# Altium PCB LAY-94611_B.PcbDoc (part 7 of 16) (continued)
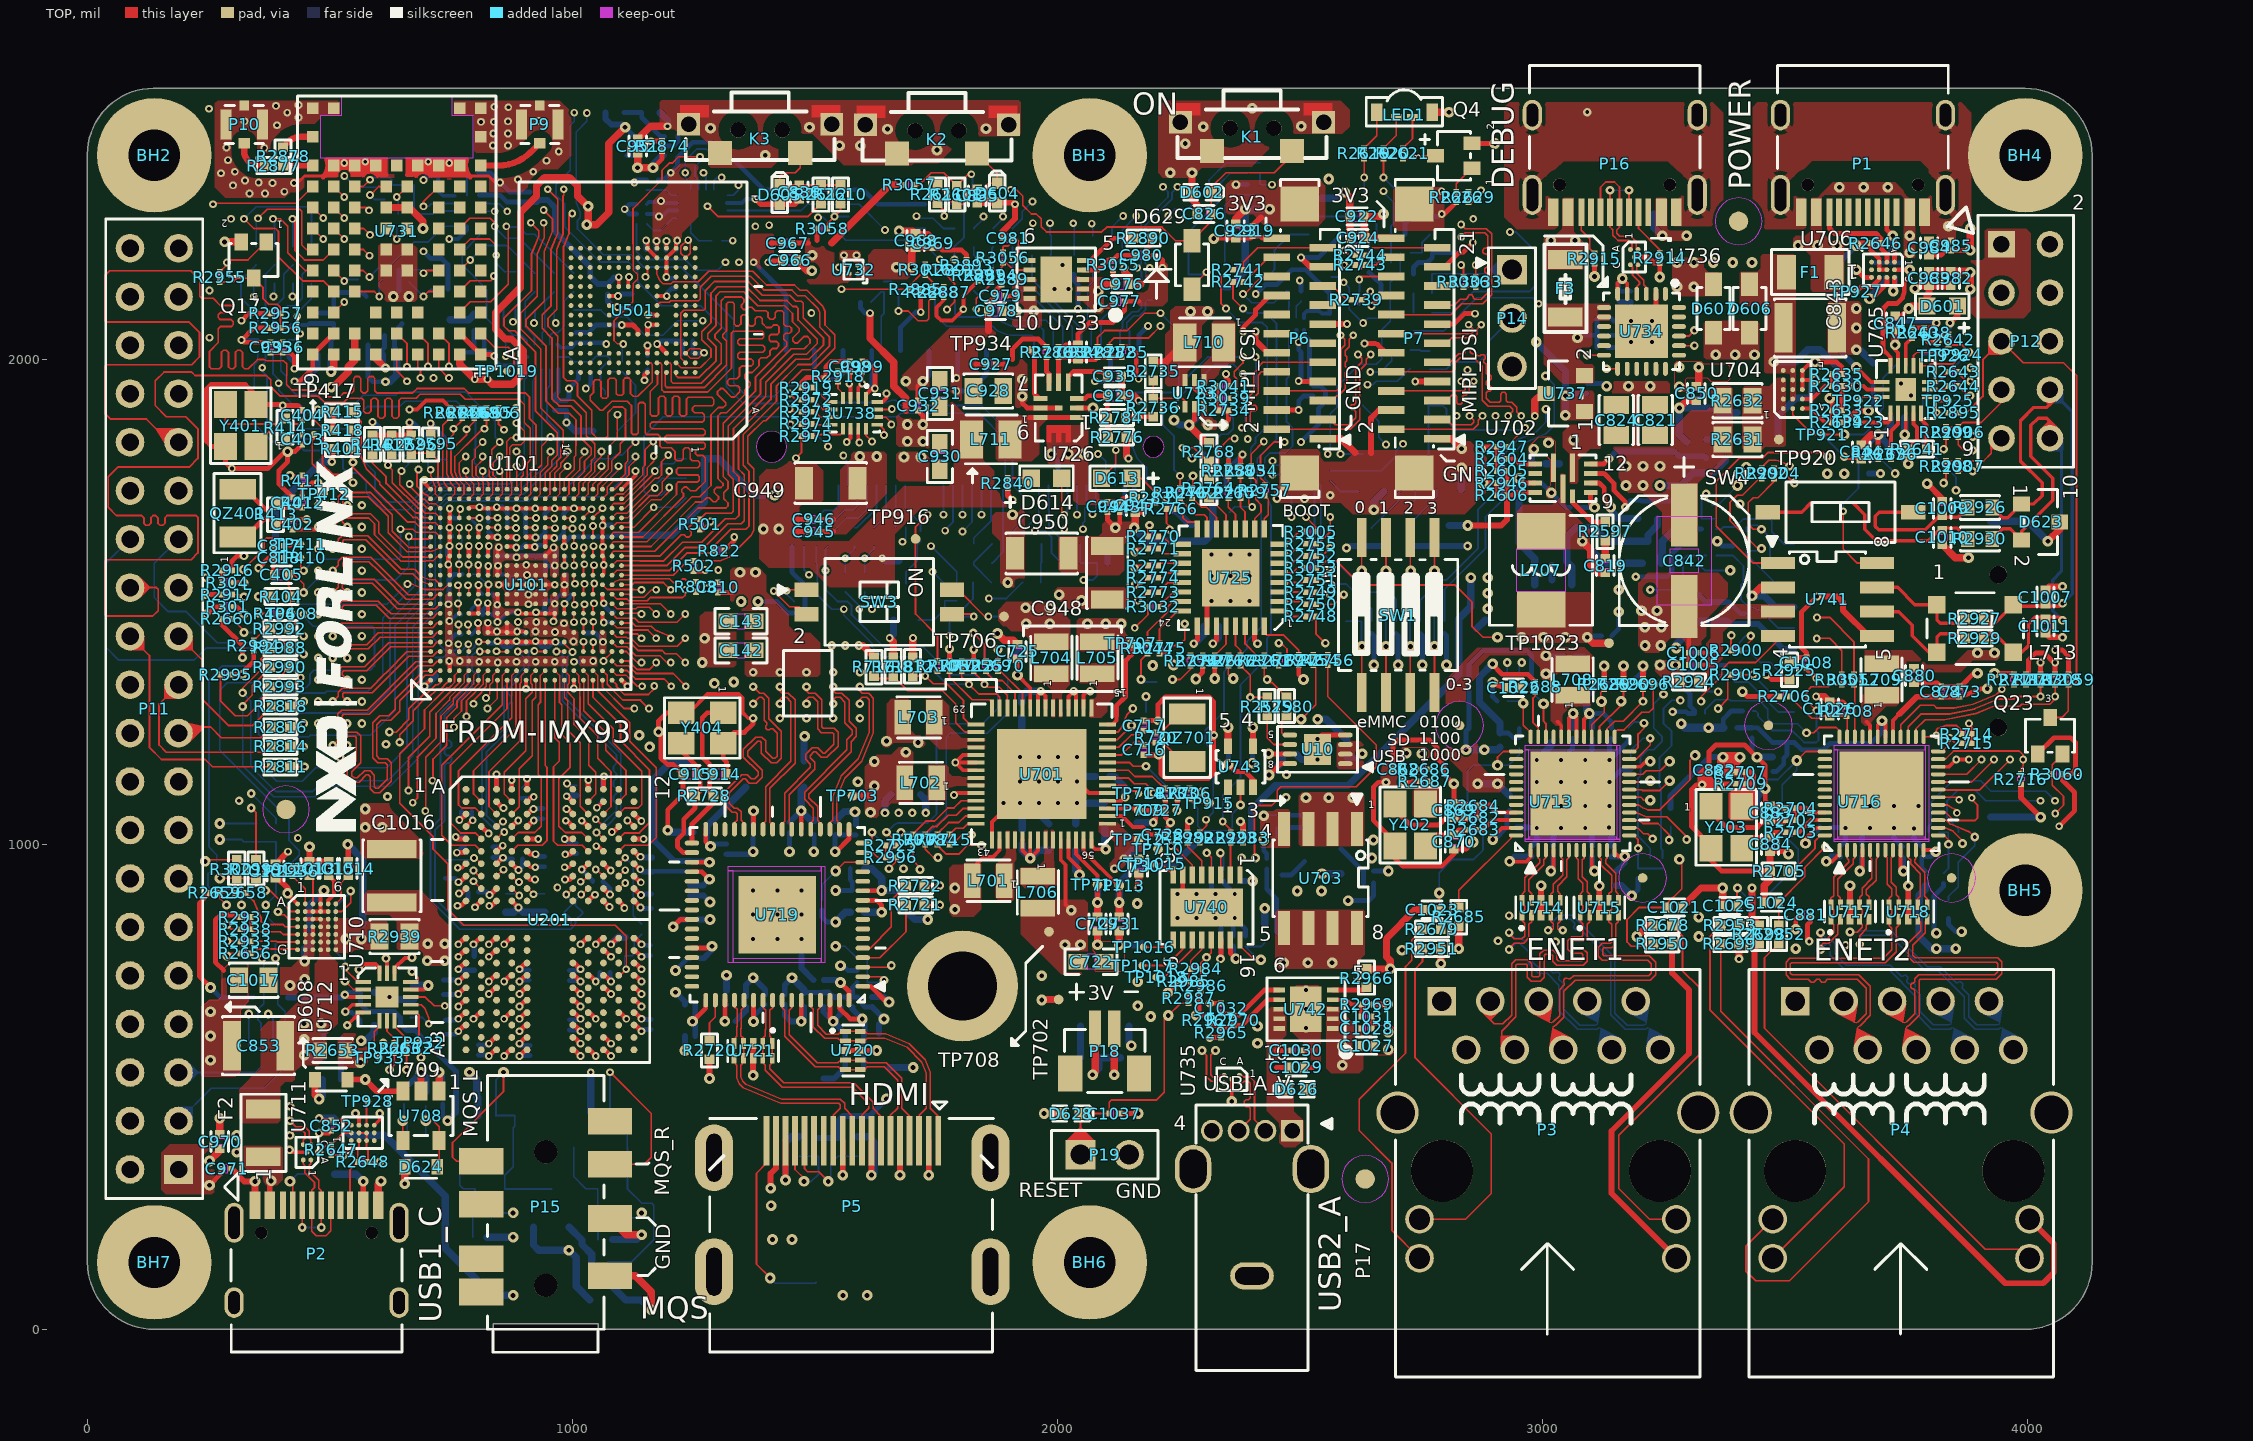
[diagram p0: TOP view]
## Nets (pads, with @x,y where several pads share a name; then routed paths per layer and width w, separated by ;. In a path a pad name is that pad's centre, name@x,y a point inside that pad or via, vN(x,y) a via of type N, cw(c..) or ccw(c..) an arc to the next point about the centre after c; other vN are vias at no path point) (continued)
  BOTTOM w3.62: v9(2557.8,1805) 2562.8,1810 2562.8,1887.8 2577.8,1902.8 2577.8,1945 2622.8,1990 2658,1990 2669,2001 2669,2061.2 2686.47,2078.67 2686.47,2159.18 2707.29,2180 2707.29,2220
EXP_GPIO_IO05: P11.29 U101.L18 | length 2425.8
  TOP w3.62: U101.L18@904.6,1673.29 924.83,1673.29 v9(925.17,1672.95)
  ART08 w3.09: P11.29@187.8,1729.53 234.8,1682.53 234.8,1605 292.8,1547 292.8,1245 333.8,1204 348.71,1204 351.8,1207.09 351.8,1222.71 348.18,1226.33 332.62,1226.33 329,1229.95 329,1235.07 332.62,1238.69 348.18,1238.69 351.8,1242.31 351.8,1251.19 348.18,1254.81 313.42,1254.81 309.8,1258.43 309.8,1263.55 313.42,1267.17 348.18,1267.17 351.8,1270.79 351.8,1275.91 348.18,1279.53 339.42,1279.53 335.8,1283.15 335.8,1288.27 339.42,1291.89 348.18,1291.89 351.8,1295.51 351.8,1300.63 348.18,1304.25 339.42,1304.25 335.8,1307.87 335.8,1312.99 339.8,1316.99 339.8,1334.46 343.42,1338.08 377.18,1338.08 380.8,1341.7 380.8,1346.82 377.18,1350.44 343.42,1350.44 339.8,1354.06 339.8,1359.18 343.42,1362.8 377.18,1362.8 380.8,1366.42 380.8,1371.54 377.18,1375.16 343.42,1375.16 339.8,1378.78 339.8,1383.9 343.42,1387.52 377.18,1387.52 380.8,1391.14 380.8,1396.26 377.18,1399.88 343.42,1399.88 339.8,1403.5 339.8,1408.62 343.42,1412.24 377.18,1412.24 380.8,1415.86 380.8,1420.98 377.18,1424.6 343.42,1424.6 339.8,1428.22 339.8,1448.91 342.89,1452 387.8,1452 403.8,1436 403.8,1370 410.2,1363.6 449.8,1363.6 456.8,1356.6 577.67,1356.6 592.98,1371.91 609.71,1371.91 666.8,1429 709.8,1429 715.8,1423 715.8,1409 733.8,1391 777.8,1391 783.8,1385 783.8,1367 796.8,1354 860.79,1354 870.8,1364.01 870.8,1581 868.8,1583 868.8,1705.6 872.2,1709 897.4,1709 904.8,1701.6 904.8,1693.32 v9(925.17,1672.95)
EXP_GPIO_IO06: P11.31 U101.L20 | length 2564.9
  TOP w3.2: U101.L20@904.6,1712.66 914.35,1722.41 914.35,1774.34 924.8,1784.79 924.8,1840
  TOP w3.62: P11.31@187.8,1829.53 169.28,1829.53 121.81,1877 47.8,1877 35.8,1889 35.8,1985.38 39.42,1989 214.8,1989 230.8,2005 230.8,2056 209.8,2077 39.42,2077 35.8,2080.62 35.8,2173 45.8,2183 212.8,2183 231.8,2164 231.8,2130 235.8,2126 259.22,2126 274.04,2111.18 296.56,2111.18 300.8,2106.94 300.8,2100.94 296.56,2096.7 274.04,2096.7 269.8,2092.46 269.8,2086.46 274.04,2082.22 296.56,2082.22 300.8,2077.98 300.8,2071.98 296.56,2067.74 274.04,2067.74 269.8,2063.5 269.8,2035 251.8,2017 251.8,1984.62 255.42,1981 271.96,1981 276.2,1985.24 276.2,2014.76 280.44,2019 286.44,2019 290.68,2014.76 290.68,1985.24 294.92,1981 300.92,1981 305.16,1985.24 305.16,2014.76 309.4,2019 315.4,2019 319.64,2014.76 319.64,1985.24 323.88,1981 331.8,1981 350.8,2000 362.76,2000 368.8,1997.5 404.3,1997.5 410.8,1991 410.8,1948 421.8,1937 479.8,1937 493.8,1923 520.8,1923 528.8,1931 544.86,1931 549.1,1935.24 549.1,1960.76 553.34,1965 559.34,1965 563.58,1960.76 563.58,1935.24 567.82,1931 573.82,1931 578.06,1935.24 578.06,1960.76 582.3,1965 588.3,1965 592.54,1960.76 592.54,1935.24 596.78,1931 670.8,1931 679.8,1940 776.8,1940 785.8,1931 902.8,1931 911.8,1922 911.8,1878 924.8,1865 924.8,1840
EXP_GPIO_IO07: P11.26 U101.L21 | length 2535.1
  TOP w3.2: U101.L21@904.6,1732.34 906.8,1734.54 906.8,1785.99 912.8,1791.99 912.8,1858
  TOP w3.62: P11.26@87.8,1529.53 142.18,1529.53 145.8,1525.91 145.8,1482 134.8,1471 39.42,1471 35.8,1474.62 35.8,1583.38 39.42,1587 213.8,1587 227.8,1601 227.8,1674.38 224.18,1678 164.05,1678 159.81,1673.76 159.81,1662.24 155.57,1658 149.57,1658 145.33,1662.24 145.33,1673.76 141.09,1678 135.09,1678 130.85,1673.76 130.85,1662.24 126.61,1658 120.61,1658 116.37,1662.24 116.37,1673.76 112.13,1678 59.8,1678 42.8,1695 42.8,1758 62.8,1778 209.8,1778 227.8,1796 227.8,1857 202.8,1882 162.8,1882 139.8,1905 139.8,1956 157.8,1974 214.8,1974 221.8,1967 368.8,1967 377.8,1958 377.8,1944 397.3,1924.5 476.3,1924.5 488.8,1912 528.8,1912 536.8,1920 565.78,1920 570.02,1915.76 570.02,1893.24 574.26,1889 580.26,1889 584.5,1893.24 584.5,1915.76 588.74,1920 594.74,1920 598.98,1915.76 598.98,1883.24 603.22,1879 609.22,1879 613.46,1883.24 613.46,1915.76 617.7,1920 623.7,1920 627.94,1915.76 627.94,1883.24 632.18,1879 638.18,1879 642.42,1883.24 642.42,1915.76 646.66,1920 677.8,1920 685.8,1928 768.8,1928 778.8,1918 889.8,1918 900.8,1907 900.8,1870 912.8,1858
EXP_GPIO_IO08: P11.24 R2811.2 | length 514.7
  TOP w3.62: P11.24@87.8,1429.53 127.8,1389.53 127.8,1200 152.8,1175 242.8,1175 257.8,1160 R2811.2@379.8,1160
EXP_GPIO_IO09: P11.21 R2814.2 | length 384.3
  TOP w3.62: P11.21@187.8,1329.53 147.8,1289.53 147.8,1205 162.8,1190 367.8,1190 R2814.2@379.8,1202
EXP_GPIO_IO10: P11.19 R2816.2 | length 215.4
  TOP w3.62: P11.19@187.8,1229.53 200.27,1242 253.99,1242 275.99,1220 357.8,1220 R2816.2@379.8,1242
EXP_GPIO_IO11: P11.23 R2818.2 | length 332.6
  TOP w3.62: P11.23@187.8,1429.53 237,1380.33 237,1299 291,1245 339.8,1245 R2818.2@379.8,1285
EXP_GPIO_IO12: P11.32 R2629.1 U101.N20 | length 4737
  TOP w3.2: U101.N20@943.97,1712.66 953.9,1722.59 953.9,1766.1 967.8,1780 967.8,1790 975.9,1798.1 975.9,1817.09 980.8,1821.99 980.8,1854
  TOP w3.62: v28(940.81,2282) 940.81,2277 941.8,2276.01 941.8,2251.34 927.8,2217.52 927.8,2130 893.6,2095.8 893.6,2062.7 934.8,2021.5 934.8,1900 980.8,1854 ; 2847.8,2324.49 2869.8,2324.49 2873.8,2328.49 v3(2873.8,2349)
  ART03 w3.09: v28(940.81,2282) 978.06,2319.25 1022.53,2337.6 1052.2,2337.6 1096.8,2293 1127.51,2293 1145.51,2311 1210.8,2311 1232.4,2332.6 1345.4,2332.6 1365.8,2353 1590,2353 1652,2415 1914.4,2415 2020,2520.6 2139.4,2520.6 2244.4,2415.6 2600.49,2415.6 2618.09,2398 2645.8,2398 2652.8,2391 2652.8,2342.4 2664.8,2330.4 2808.49,2330.4 2816.49,2338.4 2863.2,2338.4 v3(2873.8,2349)
  ART08 w3.09: P11.32@87.8,1829.53 52.89,1829.53 47.9,1824.54 47.9,1606.9 69.8,1585 119.8,1585 145.8,1611 145.8,1750.99 167.81,1773 232.8,1773 242.8,1783 242.8,1943.01 253.79,1954 324.8,1954 330.8,1960 330.8,1997 365.8,2032 365.8,2045.46 369.42,2049.08 382.18,2049.08 385.8,2052.7 385.8,2057.82 382.18,2061.44 369.42,2061.44 365.8,2065.06 365.8,2070.18 369.42,2073.8 386.18,2073.8 389.8,2077.42 389.8,2082.54 386.18,2086.16 369.42,2086.16 365.8,2089.78 365.8,2094.9 369.42,2098.52 386.18,2098.52 389.8,2102.14 389.8,2107.26 386.18,2110.88 369.42,2110.88 365.8,2114.5 365.8,2153.91 368.89,2157 455.8,2157 493.8,2195 512.8,2195 563.8,2246 563.8,2260 576.3,2272.5 657.3,2272.5 673.8,2289 709.8,2289 733.8,2265 753.8,2265 769.3,2249.5 881.8,2249.5 889.3,2257 916.57,2257 940.81,2281.24 v28(940.81,2282)
EXP_GPIO_IO13: P11.33 R2623.1 U101.N21 | length 4657.8
  TOP w3.2: U101.N21@943.97,1732.34 943.97,1766.16 957.8,1779.99 957.8,1792 968.8,1803 968.8,1849
  TOP w3.62: v28(914.3,2282) 930.8,2265.5 930.8,2253.64 915.8,2217.5 915.8,2142 858.8,2085 858.8,2069 868.8,2059 880.8,2059 923.8,2016 923.8,1894 968.8,1849
  ART03 w3.09: v28(914.3,2282) 914.3,2304.5 934.4,2324.6 963.74,2324.6 1020.46,2348 1083.09,2348 1104.49,2326.6 1141.82,2326.6 1158.22,2343 1299.8,2343 1337.8,2381 1598,2381 1647,2430 1725,2430 1743,2448 1757,2448 1775,2430 1914,2430 2015,2531 2143.71,2531 2248.71,2426 2604.8,2426 2616.8,2414 2673.8,2414 2688.8,2399 2688.8,2363 v3(2672.8,2347)
  ART08 w3.09: P11.33@187.8,1929.53 227.71,1929.53 230.8,1926.44 230.8,1904.55 227.18,1900.93 221.42,1900.93 217.8,1897.31 217.8,1892.19 221.42,1888.57 227.18,1888.57 230.8,1884.95 230.8,1879.83 227.18,1876.21 221.42,1876.21 217.8,1872.59 217.8,1867.47 221.42,1863.85 227.18,1863.85 230.8,1860.23 230.8,1804 215.8,1789 131.89,1789 128.8,1792.09 128.8,1800.06 132.42,1803.68 148.18,1803.68 151.8,1807.3 151.8,1812.42 148.18,1816.04 132.42,1816.04 128.8,1819.66 128.8,1824.78 132.42,1828.4 142.18,1828.4 145.8,1832.02 145.8,1837.14 142.18,1840.76 132.42,1840.76 128.8,1844.38 128.8,1849.5 132.42,1853.12 148.18,1853.12 151.8,1856.74 151.8,1861.86 148.18,1865.48 132.42,1865.48 128.8,1869.1 128.8,1873 123.8,1878 50.99,1878 47.9,1881.09 47.9,1960.1 56.8,1969 312.8,1969 319.8,1976 319.8,2005 352.8,2038 352.8,2106 345.8,2113 334.8,2113 321.8,2126 321.8,2136 333.8,2148 343.8,2148 364.8,2169 451.8,2169 489.8,2207 510.8,2207 547.8,2244 547.8,2258 571.8,2282 650.8,2282 668.8,2300 717.8,2300 741.8,2276 757.8,2276 774.8,2259 874.8,2259 888.8,2273 905.3,2273 v28(914.3,2282)
  BOTTOM w3.62: v3(2672.8,2347) 2672.8,2345 2693.31,2324.49 2693.31,2280.52 2688.31,2275.52 2688.31,2200
EXP_GPIO_IO14: P11.8 U101.P20 | length 2530.4
  TOP w3.2: U101.P20@963.65,1712.66 973.59,1722.6 973.59,1763.58 v3(990.01,1780)
  ART03 w3.09: P11.8@87.8,629.53 87.8,662.01 141.8,716.01 141.8,746 165.8,770 250.8,770 269.8,789 269.8,884 297.8,912 297.8,955 242.8,1010 242.8,1151 271.8,1180 271.8,1569.4 249.2,1592 249.2,1886.4 259.6,1896.8 259.6,1941.8 301.1,1983.3 335.09,1983.3 354.69,2002.9 586.2,2002.9 594.3,2011 763.1,2011 793.1,1981 912.8,1981 963.8,1930 963.8,1918 1004.8,1877 1004.8,1846 971.8,1813 971.8,1798.21 v3(990.01,1780)
EXP_GPIO_IO15: P11.10 U101.P21 | length 2519.6
  TOP w3.2: U101.P21@963.66,1732.35 963.66,1765.86 975.8,1778 975.8,1785.99 990.01,1800.2 v3(990.01,1810)
  ART03 w3.09: P11.10@87.8,729.53 43.05,774.28 43.05,786.26 46.79,790 232.8,790 253.8,811 253.8,941 268.8,956 268.8,966 228.8,1006 228.8,1155 261.3,1187.5 261.3,1559.5 238.8,1582 238.8,1891.01 249.2,1901.41 249.2,1947.41 295.49,1993.7 326.5,1993.7 345.8,2013 583,2013 596,2026 773.8,2026 808.7,1991.1 918.7,1991.1 974.8,1935 974.8,1927 1015.8,1886 1015.8,1835.79 v3(990.01,1810)
EXP_GPIO_IO16: P11.36 U101.R21 | length 2436
  TOP w3.2: U101.R21@983.34,1732.34 983.34,1752.54 1003.8,1773 1003.8,1799 1007.4,1802.6 1007.4,1822.39
  TOP w3.62: v9(940.8,2308) 958.8,2290 958.8,2263.34 941.8,2222.27 941.8,2120 904.6,2082.8 904.6,2068.2 945.8,2027 945.8,1914.01 970.81,1889 993.79,1889 1007.4,1875.39 1007.4,1822.39
  ART08 w3.09: P11.36@87.8,2029.53 58.32,2029.53 50.73,2021.94 50.73,1988.09 57.82,1981 114.26,1981 117.88,1984.62 117.88,2000.38 121.5,2004 126.62,2004 130.24,2000.38 130.24,1984.62 133.86,1981 138.98,1981 142.6,1984.62 142.6,2000.38 146.22,2004 151.34,2004 154.96,2000.38 154.96,1984.62 158.58,1981 229.65,1981 233.27,1984.62 233.27,2026.38 236.89,2030 242.01,2030 245.63,2026.38 245.63,1984.62 249.25,1981 254.37,1981 257.99,1984.62 257.99,2026.38 261.61,2030 266.73,2030 270.35,2026.38 270.35,1984.62 273.97,1981 279.09,1981 282.71,1984.62 282.71,2058.91 286.8,2063 291.45,2063 295.07,2059.38 295.07,1984.62 298.69,1981 305.71,1981 308.8,1984.09 308.8,2009 341.8,2042 341.8,2053.61 338.18,2057.23 331.42,2057.23 327.8,2060.85 327.8,2065.97 331.42,2069.59 338.18,2069.59 341.8,2073.21 341.8,2096.9 338.7,2100 319.81,2100 310.8,2109.01 310.8,2145 324.8,2159 337.8,2159 358.8,2180 444.8,2180 510.8,2246 510.8,2254 521.8,2265 539.8,2265 566.8,2292 642.8,2292 682.8,2332 702.79,2332 744.79,2290 779.86,2290 783.48,2286.38 783.48,2272.62 787.1,2269 792.22,2269 795.84,2272.62 795.84,2286.38 799.46,2290 804.58,2290 808.2,2286.38 808.2,2272.62 811.82,2269 816.94,2269 820.56,2272.62 820.56,2286.38 824.18,2290 878.3,2290 896.8,2308.5 940.3,2308.5 v9(940.8,2308)
EXP_GPIO_IO17: P11.11 U101.R20 | length 2521
  TOP w3.2: U101.R20@983.34,1712.66 993.09,1722.41 993.09,1750.29 1014.8,1772 1014.8,1793.99 1025.01,1804.2 v3(1025.01,1810)
  ART03 w3.09: P11.11@187.8,829.53 171.27,813 138.89,813 135.8,816.09 135.8,881.91 138.89,885 221.8,885 231.8,895 231.8,944 192.8,983 155.8,983 147.8,991 147.8,1152 164.8,1169 217.8,1169 244.8,1196 244.8,1397 227.3,1414.5 227.3,1894.5 238.8,1906 238.8,1952 290.9,2004.1 319.9,2004.1 339.8,2024 580.7,2024 594.7,2038 829.16,2038 916.63,2001.8 954,2001.8 1008.8,1947 1008.8,1909 1028.8,1889 1028.8,1825.99 1025.01,1822.2 v3(1025.01,1810)
EXP_GPIO_IO18: P11.12 U101.R18 | length 2601
  TOP w3.62: U101.R18@983.34,1673.29 998.6,1673.29 v3(1000.72,1671.17)
  ART03 w3.09: v22(251.8,2045) 256.05,2055.25 305.85,2105.05 328.42,2114.4 461.4,2114.4 506.8,2069 567.8,2069 584.8,2086 823.8,2086 845.53,2095 882.79,2095 893.97,2083.82 898.92,2071.88 913.85,2056.95 938.84,2046.6 972.2,2046.6 1017.68,2001.12 1053.53,1986.27 1075.8,1964 1075.8,1882.3 1109.8,1800.21 1109.8,1774 1088.08,1752.28 1048.79,1736 1017.05,1704.26 1017.05,1687.5 v3(1000.72,1671.17)
  ART06 w4: P11.12@87.8,829.53 137.8,879.53 137.8,1939 179.8,1981 199.8,1981 251.8,2033 v22(251.8,2045)
EXP_GPIO_IO19: P11.35 U101.R17 | length 2565.5
  TOP w3.62: U101.R17@983.34,1653.6 997.95,1653.6 v3(1000.38,1651.17)
  ART03 w3.09: P11.35@187.8,2029.53 149.26,2029.53 137.8,2040.99 137.8,2063 127.8,2073 41.9,2073 38.8,2076.1 38.8,2267.91 41.89,2271 53.01,2271 56.63,2274.62 56.63,2290.38 60.25,2294 65.37,2294 68.99,2290.38 68.99,2274.62 72.61,2271 77.73,2271 81.35,2274.62 81.35,2290.38 84.97,2294 90.09,2294 93.71,2290.38 93.71,2274.62 97.33,2271 102.45,2271 106.07,2274.62 106.07,2290.38 109.69,2294 114.81,2294 118.43,2290.38 118.43,2274.62 122.05,2271 127.17,2271 130.79,2274.62 130.79,2290.38 134.41,2294 139.53,2294 143.15,2290.38 143.15,2274.62 146.77,2271 151.89,2271 155.51,2274.62 155.51,2290.38 159.13,2294 164.25,2294 167.87,2290.38 167.87,2274.62 171.49,2271 176.61,2271 180.23,2274.62 180.23,2290.38 183.85,2294 188.97,2294 192.59,2290.38 192.59,2274.62 196.21,2271 201.33,2271 204.95,2274.62 204.95,2290.38 208.57,2294 213.69,2294 217.31,2290.38 217.31,2274.62 220.93,2271 231.71,2271 234.8,2267.91 234.8,2118 239.04,2113.76 272.03,2113.76 315.27,2157 452.8,2157 520.8,2089 553.8,2089 575.8,2111 731.8,2111 745.8,2125 906.41,2125 966.82,2099.98 1056.97,2009.83 1063.8,2007 1138.8,1932 1138.8,1918.54 1135.18,1914.92 1113.42,1914.92 1109.8,1911.3 1109.8,1906.18 1113.42,1902.56 1135.18,1902.56 1138.8,1898.94 1138.8,1893.82 1135.18,1890.2 1113.42,1890.2 1109.8,1886.58 1109.8,1881.46 1113.42,1877.84 1135.18,1877.84 1138.8,1874.22 1138.8,1869.1 1135.18,1865.48 1113.42,1865.48 1109.8,1861.86 1109.8,1856.74 1113.42,1853.12 1135.18,1853.12 1138.8,1849.5 1138.8,1844.31 1144.11,1839 1144.11,1762.31 1103.8,1722 1050,1722 1025.66,1697.66 1025.66,1678.03 1000.38,1652.75 v3(1000.38,1651.17)
EXP_GPIO_IO20: P11.38 U101.T20 | length 2425.6
  TOP w3.2: U101.T20@1003.02,1712.66 1012.92,1722.56 1012.92,1745.12 1038.8,1771 1038.8,1791 1045.8,1798 1045.8,1825.79
  TOP w3.62: v9(982.3,2351) 982.3,2338.74 980.8,2337.24 980.8,2258.39 967.8,2227 967.8,2103 949.7,2084.9 949.7,2068.1 969.8,2048 969.8,1922.62 976.42,1916 1002.8,1916 1028.64,1890.16 1028.64,1842.95 1045.8,1825.79
  ART08 w3.09: P11.38@87.8,2129.53 87.8,2108.01 58.48,2078.69 36.89,2078.69 33.8,2081.78 33.8,2173.91 36.89,2177 42.45,2177 46.07,2180.62 46.07,2198.38 49.69,2202 54.81,2202 58.43,2198.38 58.43,2180.62 62.05,2177 67.17,2177 70.79,2180.62 70.79,2183.91 73.88,2187 80.06,2187 83.15,2183.91 83.15,2180.62 86.77,2177 114.65,2177 118.27,2180.62 118.27,2203.38 121.89,2207 127.01,2207 130.63,2203.38 130.63,2180.62 134.25,2177 139.37,2177 142.99,2180.62 142.99,2203.38 146.61,2207 151.73,2207 155.35,2203.38 155.35,2180.62 158.97,2177 219.08,2177 222.7,2180.62 222.7,2207.38 226.32,2211 231.44,2211 235.06,2207.38 235.06,2180.62 238.68,2177 243.8,2177 247.42,2180.62 247.42,2245.38 251.04,2249 256.16,2249 259.78,2245.38 259.78,2180.62 263.4,2177 272.8,2177 287.8,2162 293.8,2162 314.8,2183 329.8,2183 349.8,2203 436.8,2203 460.8,2227 460.8,2272.91 463.89,2276 496.8,2276 508.8,2288 508.8,2295.5 520.8,2307.5 540.3,2307.5 565.8,2333 565.8,2346 574.8,2355 602.71,2355 606.33,2351.38 606.33,2329.62 609.95,2326 615.07,2326 618.69,2329.62 618.69,2350.91 621.78,2354 649.6,2354 653.22,2350.38 653.22,2342.62 656.84,2339 661.96,2339 665.58,2342.62 665.58,2350.38 669.2,2354 719.8,2354 743.3,2330.5 899.3,2330.5 903.8,2335 978.8,2335 982.3,2338.5 v9(982.3,2351)
EXP_GPIO_IO21: P11.40 U101.T21 | length 2492.7
  TOP w3.2: U101.T21@1003.02,1732.34 1003.02,1747.21 1025.01,1769.2 1025.01,1790.21 1038.8,1804 1038.8,1817
  TOP w3.62: v9(949.3,2351) 969.8,2330.5 969.8,2260.75 955.8,2226.95 955.8,2110 937.7,2091.9 937.7,2064.1 957.8,2044 957.8,1919.01 972.62,1904.19 996.98,1904.19 1018.02,1883.15 1018.02,1837.78 1038.8,1817
  ART08 w3.09: P11.40@87.8,2229.53 87.8,2278.91 90.89,2282 146.94,2282 150.56,2285.62 150.56,2292.38 154.18,2296 159.3,2296 162.92,2292.38 162.92,2285.62 166.54,2282 171.66,2282 175.28,2285.62 175.28,2292.38 178.9,2296 184.02,2296 187.64,2292.38 187.64,2285.62 191.26,2282 196.38,2282 200,2285.62 200,2292.38 203.62,2296 208.74,2296 212.36,2292.38 212.36,2285.62 215.98,2282 221.1,2282 224.72,2285.62 224.72,2292.38 228.34,2296 233.46,2296 237.08,2292.38 237.08,2285.62 240.7,2282 245.82,2282 249.44,2285.62 249.44,2292.38 253.06,2296 258.18,2296 261.8,2292.38 261.8,2285.62 265.42,2282 281.8,2282 303.8,2260 303.8,2198.09 306.89,2195 317.06,2195 320.68,2198.62 320.68,2269.38 324.3,2273 329.42,2273 333.04,2269.38 333.04,2217.62 336.66,2214 341.78,2214 345.4,2217.62 345.4,2269.38 349.02,2273 354.14,2273 357.76,2269.38 357.76,2217.62 361.38,2214 366.5,2214 370.12,2217.62 370.12,2269.38 373.74,2273 378.86,2273 382.48,2269.38 382.48,2217.62 386.1,2214 391.22,2214 394.84,2217.62 394.84,2269.38 398.46,2273 403.58,2273 407.2,2269.38 407.2,2217.62 410.82,2214 415.94,2214 419.56,2217.62 419.56,2269.38 423.18,2273 428.3,2273 431.92,2269.38 431.92,2227.62 435.54,2224 441.8,2224 445.8,2228 445.8,2295 459.8,2309 506.8,2309 516.3,2318.5 537.3,2318.5 553.8,2335 553.8,2364 574.3,2384.5 710.3,2384.5 754.8,2340 894.8,2340 905.8,2351 v9(949.3,2351)
EXP_GPIO_IO22: P11.15 U101.U18 | length 2715.6
  TOP w3.62: U101.U18@1022.71,1673.29 1022.71,1674.06 v3(1039.59,1690.94)
  ART03 w3.09: v28(251.8,2142) 316.96,2169 454.8,2169 520.8,2103 533.49,2103 564.75,2115.95 598.8,2150 695.48,2150 730.49,2135.5 908.21,2135.5 972.01,2109.07 1062.15,2018.93 1070.2,2015.59 1144.56,1941.23 1153,1920.86 1153,1756.2 1106.8,1710 1058.65,1710 v3(1039.59,1690.94)
  ART08 w3.09: P11.15@187.8,1029.53 148.09,1056.06 82.98,1075.82 50.63,1108.17 37.8,1139.13 37.8,2017.93 50.58,2048.78 72.32,2070.52 119.36,2090 204.8,2090 241.72,2126.92 v28(251.8,2142)
EXP_GPIO_IO23: P11.16 R2611.2 U101.U20 | length 3767.4
  TOP w3.2: U101.U20@1022.71,1712.66 1032.47,1722.42 1032.47,1744.66 1060.01,1772.2 v22(1060.01,1780)
  TOP w3.62: R2611.2@1752.88,2322.14 1752.88,2320.92 1766.8,2307 v4(1766.8,2296)
  ART03 w3.09: P11.16@87.8,1029.53 44.8,1072.53 44.8,1158.01 62.79,1176 107.8,1176 137.8,1206 137.8,1366.15 131.95,1372 61.8,1372 47.8,1386 47.8,1954 73.3,1979.5 212.29,1979.5 267.79,2035 279.81,2064.01 311.8,2096 408.8,2096 417.1,2104.3 448.49,2104.3 494.79,2058 570.81,2058 589.28,2076.47 821.21,2076.47 921.33,2035 967.8,2035 1026.62,1976.18 1043.62,1976.18 1065.27,1954.53 1065.27,1865.03 1074.8,1855.5 1074.8,1794.79 v22(1060.01,1780)
  ART06 w4: v22(1060.01,1780) 1060.01,1789.21 1074.8,1804 1074.8,1830.21 1043.8,1861.21 1043.8,1951 1032.8,1962 1032.8,2131 1123.8,2222 1237.99,2222 1329.99,2314 1381.39,2314 1385.52,2315.71 1405.81,2336 1578.8,2336 1624.8,2290 1677.8,2290 1692.8,2275 1745.8,2275 v4(1766.8,2296)
EXP_GPIO_IO24: P11.18 R2612.2 U101.U21 | length 3486.6
  TOP w3.2: U101.U21@1022.71,1732.34 1022.71,1744.9 1045.8,1767.99 1045.8,1785.99 1060.01,1800.2 v22(1060.01,1810)
  TOP w3.62: v4(1278.8,2316) 1299.8,2295 1486.04,2295 R2612.2@1512.84,2321.8
  ART03 w3.09: P11.18@87.8,1129.53 122.71,1129.53 125.8,1132.62 125.8,1170.5 148.3,1193 148.3,1257.61 151.92,1261.23 162.18,1261.23 165.8,1264.85 165.8,1269.97 162.18,1273.59 151.92,1273.59 148.3,1277.21 148.3,1282.33 151.92,1285.95 162.18,1285.95 165.8,1289.57 165.8,1294.69 162.18,1298.31 151.92,1298.31 148.3,1301.93 148.3,1370.5 137.8,1381 137.8,1456.19 134.18,1459.81 120.42,1459.81 116.8,1463.43 116.8,1468.55 120.42,1472.17 134.18,1472.17 137.8,1475.79 137.8,1480.91 134.18,1484.53 120.42,1484.53 116.8,1488.15 116.8,1493.27 120.42,1496.89 134.18,1496.89 137.8,1500.51 137.8,1558.19 134.18,1561.81 119.42,1561.81 115.8,1565.43 115.8,1570.55 119.42,1574.17 134.18,1574.17 137.8,1577.79 137.8,1582.91 134.18,1586.53 119.42,1586.53 115.8,1590.15 115.8,1595.27 119.42,1598.89 134.18,1598.89 137.8,1602.51 137.8,1656.63 134.18,1660.25 118.42,1660.25 114.8,1663.87 114.8,1668.99 118.42,1672.61 134.18,1672.61 137.8,1676.23 137.8,1681.35 134.18,1684.97 118.42,1684.97 114.8,1688.59 114.8,1693.71 118.42,1697.33 134.18,1697.33 137.8,1700.95 137.8,1758.95 134.18,1762.57 118.42,1762.57 114.8,1766.19 114.8,1771.31 118.42,1774.93 134.18,1774.93 137.8,1778.55 137.8,1783.67 134.18,1787.29 118.42,1787.29 114.8,1790.91 114.8,1796.03 118.42,1799.65 134.18,1799.65 137.8,1803.27 137.8,1859.01 134.18,1862.63 119.42,1862.63 115.8,1866.25 115.8,1871.37 119.42,1874.99 134.18,1874.99 137.8,1878.61 137.8,1883.73 134.18,1887.35 119.42,1887.35 115.8,1890.97 115.8,1896.09 119.42,1899.71 134.18,1899.71 137.8,1903.33 137.8,1963 143.8,1969 218.8,1969 307.3,2057.5 410.3,2057.5 421.8,2069 445.8,2069 466.8,2048 575.8,2048 593.8,2066 818.09,2066 918.19,2024.53 963.26,2024.53 1021.7,1966.09 1038.7,1966.09 1054.8,1949.99 1054.8,1860.68 1060.01,1855.47 v22(1060.01,1810)
  ART06 w4: v22(1060.01,1810) 1008.8,1861.21 1008.8,2125.81 1145.99,2263 1225.8,2263 v4(1278.8,2316)
EXP_GPIO_IO25: P11.22 SW3.1 TP1083.1 U101.V21 | length 3149.5
  TOP w3.2: U101.V21@1042.39,1732.34 1042.39,1742.59 1073.8,1774 1073.8,1802 1077.8,1806 1077.8,1822.79 1092.8,1837.79 v22(1092.8,1886.1)
  TOP w3.62: v4(1441.8,1523) 1443.8,1525 SW3.1@1482.8,1525
  ART03 w3.09: P11.22@87.8,1329.53 127.7,1289.63 127.7,1213.9 100.8,1187 51.8,1187 28.8,1210 28.8,1957 61.8,1990 203.8,1990 234.8,2021 234.8,2060 320.8,2146 445.8,2146 512.8,2079 561.8,2079 580.8,2098 739.8,2098 756.3,2114.5 904.3,2114.5 961.8,2057 983.79,2057 1034.53,2006.26 1058.43,1996.36 1092.8,1961.99 v22(1092.8,1886.1)
  ART06 w4: v22(1092.8,1886.1) 1092.9,1886 1096.8,1886 1112.8,1870 1112.8,1795 1122.8,1785 1210.8,1785 1427.8,1568 1427.8,1537 v4(1441.8,1523)
  BOTTOM w3.62: v4(1441.8,1523) 1441.8,1516.2 TP1083.1@1457,1501
EXP_GPIO_IO26: P11.37 U101.V20 | length 2425.4
  TOP w3.2: U101.V20@1042.39,1712.66 1052.15,1722.42 1052.15,1740.35 1080.8,1769 1080.8,1790.79 1091.4,1801.39
  TOP w3.62: v9(999.8,2301) 996.8,2301 992.8,2297 992.8,2258.49 981.8,2231.92 981.8,1963 988.8,1956 1004.8,1956 1010.8,1950 1010.8,1924.2 1039.8,1895.2 1039.8,1849 1051.8,1837 1067.8,1837 1072.8,1842 1072.8,1890 1084.8,1902 1103.8,1902 1109.8,1896 1109.8,1837 1098.8,1826 1098.8,1808.79 1091.4,1801.39
  ART08 w3.09: P11.37@187.8,2129.53 220.53,2162.26 260.54,2162.26 267.8,2155 267.8,2134 230.8,2097 230.8,2082.54 227.18,2078.92 209.42,2078.92 205.8,2075.3 205.8,2070.18 209.42,2066.56 227.18,2066.56 230.8,2062.94 230.8,2060.09 233.89,2057 241.5,2057 245.12,2060.62 245.12,2086.38 248.74,2090 253.86,2090 257.48,2086.38 257.48,2065.62 261.1,2062 269.71,2062 272.8,2065.09 272.8,2071.9 275.9,2075 296.71,2075 299.8,2078.09 299.8,2086.34 296.18,2089.96 275.42,2089.96 271.8,2093.58 271.8,2098.7 275.42,2102.32 296.18,2102.32 299.8,2105.94 299.8,2111.06 296.18,2114.68 283.42,2114.68 279.8,2118.3 279.8,2123.42 283.42,2127.04 296.18,2127.04 299.8,2130.66 299.8,2151 318.8,2170 333.8,2170 354.8,2191 442.8,2191 470.8,2219 470.8,2259 476.8,2265 506.8,2265 516.8,2275 534.8,2275 557.8,2298 557.8,2308.5 572.8,2323.5 595.3,2323.5 615.8,2303 639.8,2303 679.8,2343 710.8,2343 732.8,2321 754.96,2321 758.58,2317.38 758.58,2304.62 762.2,2301 767.32,2301 770.94,2304.62 770.94,2317.38 774.56,2321 779.68,2321 783.3,2317.38 783.3,2304.62 786.92,2301 792.04,2301 795.66,2304.62 795.66,2317.38 799.28,2321 804.4,2321 808.02,2317.38 808.02,2304.62 811.64,2301 816.76,2301 820.38,2304.62 820.38,2317.38 824,2321 912.8,2321 915.8,2324 954.56,2324 958.18,2320.38 958.18,2271.62 961.8,2268 966.92,2268 970.54,2271.62 970.54,2320.38 974.16,2324 996.71,2324 999.8,2320.91 v9(999.8,2301)
EXP_GPIO_IO27: P11.13 SW3.2 TP1084.1 U101.W21 | length 3072.9
  TOP w3.2: U101.W21@1062.08,1732.34 1062.08,1739.27 1095.01,1772.2 v22(1095.01,1780)
  TOP w3.62: v4(1415.3,1522.5) 1447.8,1490 1467.8,1490 SW3.2@1482.8,1475
  ART03 w3.09: P11.13@187.8,929.53 139.89,929.53 136.8,932.62 136.8,1159 158.8,1181 208.8,1181 228.1,1200.3 228.1,1257.25 224.48,1260.87 211.42,1260.87 207.8,1264.49 207.8,1269.61 211.42,1273.23 224.48,1273.23 228.1,1276.85 228.1,1281.97 224.48,1285.59 211.42,1285.59 207.8,1289.21 207.8,1294.33 211.42,1297.95 224.48,1297.95 228.1,1301.57 228.1,1361.3 208.4,1381 167.8,1381 148.3,1400.5 148.3,1846.1 182.2,1880 197.8,1880 228.3,1910.5 228.3,1956.5 286.3,2014.5 315.29,2014.5 335.79,2035 576.81,2035 593.81,2052 824.64,2052 919.91,2012.5 960.29,2012.5 1016.79,1956 1033.79,1956 1043.8,1945.99 1043.8,1824 1040.8,1821 1040.8,1766 1049.8,1757 1072.01,1757 v22(1095.01,1780)
  ART06 w4: v22(1095.01,1780) 1095.01,1773.79 1150.8,1718 1197.8,1718 1299.8,1616 1352.53,1616 1405.8,1562.73 1405.8,1532 v4(1415.3,1522.5)
  BOTTOM w3.62: TP1084.1@1078,1757 1095.01,1774.01 v22(1095.01,1780)
EXP_PWREN: R2757.2 R2892.1 R3016.1 | length 1658.5
  TOP w3.62: 1727.8,2195.51 1742.29,2195.51 1753.8,2184 1767.29,2184 1767.29,2177.52 1787.8,2157.01 1787.8,2118 v4(1772.8,2103) ; 2427.8,1740.51 2427.8,1747.19 2418.8,1756.19 2418.8,1801 2447.8,1830 v4(2468.8,1830)
  ART06 w4: v4(1772.8,2103) 1772.8,2103.5 1775.8,2106.5 1775.8,2118 1829.8,2172 2222.8,2172 2243.8,2151 2348.8,2151 2379.8,2182 2520.8,2182 2587.3,2115.5 2618.3,2115.5 2683,2050.8 2683,1940 2651,1908 2582,1908 2527,1853 2491.8,1853 v4(2468.8,1830)
EXT1_PWREN: R2762.2 R2781.1 R2894.1 | length 1254.3
  TOP w3.62: v3(1832.8,2103.5) 1832.8,2125 1862.8,2155 1862.8,2162.99 ; 2082.8,2025.51 2082.8,2045 2097.3,2059.5 2143.8,2059.5 2179.8,2095.5 v3(2212.8,2095.5) ; 2277.8,1735.51 2279.8,1737.51 v15(2279.8,1760)
  ART03 w3.09: v3(1832.8,2103.5) 1832.8,2103 1860.8,2075 2119.8,2075 2140.3,2095.5 v3(2212.8,2095.5)
  BOTTOM w3.62: v3(2212.8,2095.5) 2250.31,2057.99 2250.31,1939.51 2242.8,1932 2157.8,1932 2145.8,1920 2145.8,1828 2155.78,1818.02 2164.98,1795.82 2183.8,1777 2183.8,1746 2198.8,1731 2250.8,1731 v15(2279.8,1760)
EXT2_PWREN: R3039.1 R3040.2 | length 501.1
  TOP w3.62: 2252.8,1735.51 v5(2252.8,1760) ; 2353.31,1920 2361.38,1920 2370,1928.62 2370,1960 2365,1965 2365,1975 2382.8,1992.8 v5(2382.8,2005)
  BOTTOM w3.62: v5(2252.8,1760) 2240.8,1772 2240.8,1842 2217.8,1865 2217.8,1887.8 2265,1935 2265,1960 2310,2005 v5(2382.8,2005)
F12_USB1_VBUS_3V3: R301.2 R2650.2 U708.1 | length 1709.7
  TOP w10: v6(244,1475) 247.8,1475 262.8,1490 277.29,1490 ; R301.2@298.31,1490 307.8,1490 v26(322.8,1475)
  TOP w15: U708.1@725.3,491 v18(725.3,530)
  ART08 w15: v6(244,1475) 244,1014.2 212.8,983 160.8,983 141.8,964 141.8,696 157.8,680 264.3,680 366.3,578 392.8,578 457.8,513 502.8,513 544.8,471 624.8,471 658.8,505 700.3,505 v18(725.3,530)
  BOTTOM w10: v18(725.3,530) 732.8,522.5 R2650.2@732.8,485.51
F14_TAMPER1: C817.1 TP411.1 U101.F14 | length 1667.8
  TOP w3.62: v20(321.8,1567.01) 364.8,1610.01 364.8,1627 369.8,1632 398.8,1632 405.31,1625.49 C817.1@405.31,1616 407.31,1614 419,1614 424,1619 TP411.1@439.8,1619 ; U101.F14@806.17,1594.55 806.17,1614.48 v3(807.19,1615.5)
  ART03 w3.09: v22(433.8,1013) 442.8,1022 460.77,1022 579.78,1141.01 628.04,1161 659.8,1161 687.4,1188.6 687.4,1248.6 708.8,1270 708.8,1601.13 737.8,1630.13 792.56,1630.13 v3(807.19,1615.5)
  ART06 w4: v20(321.8,1567.01) 302.3,1547.51 302.3,1165.5 433.8,1034 v22(433.8,1013)
FRS_EN: U710.B6 U712.1 | length 293.6
  TOP w3.62: U710.B6@512.17,861.5 524.3,861.5 542.8,880 v15(542.8,904) ; v15(531.8,747) 531.8,742.01 557.31,716.5 U712.1@568.59,716.5
  BOTTOM w3.62: v15(531.8,747) 531.8,758.5 510.8,779.5 510.8,870 542.8,902 v15(542.8,904)